# Altium PCB AATB-V2.1.PcbDoc (part 1 of 5)
Units mm, origin at the board's own origin, x right, y up, seen from the top; angles counter-clockwise.
Board outline 236 x 177 mm, 2 copper layers (Top Layer, Bottom Layer), stack 1.571 mm thick; 302 components, 313 nets, 1275 pads, 1275 vias.
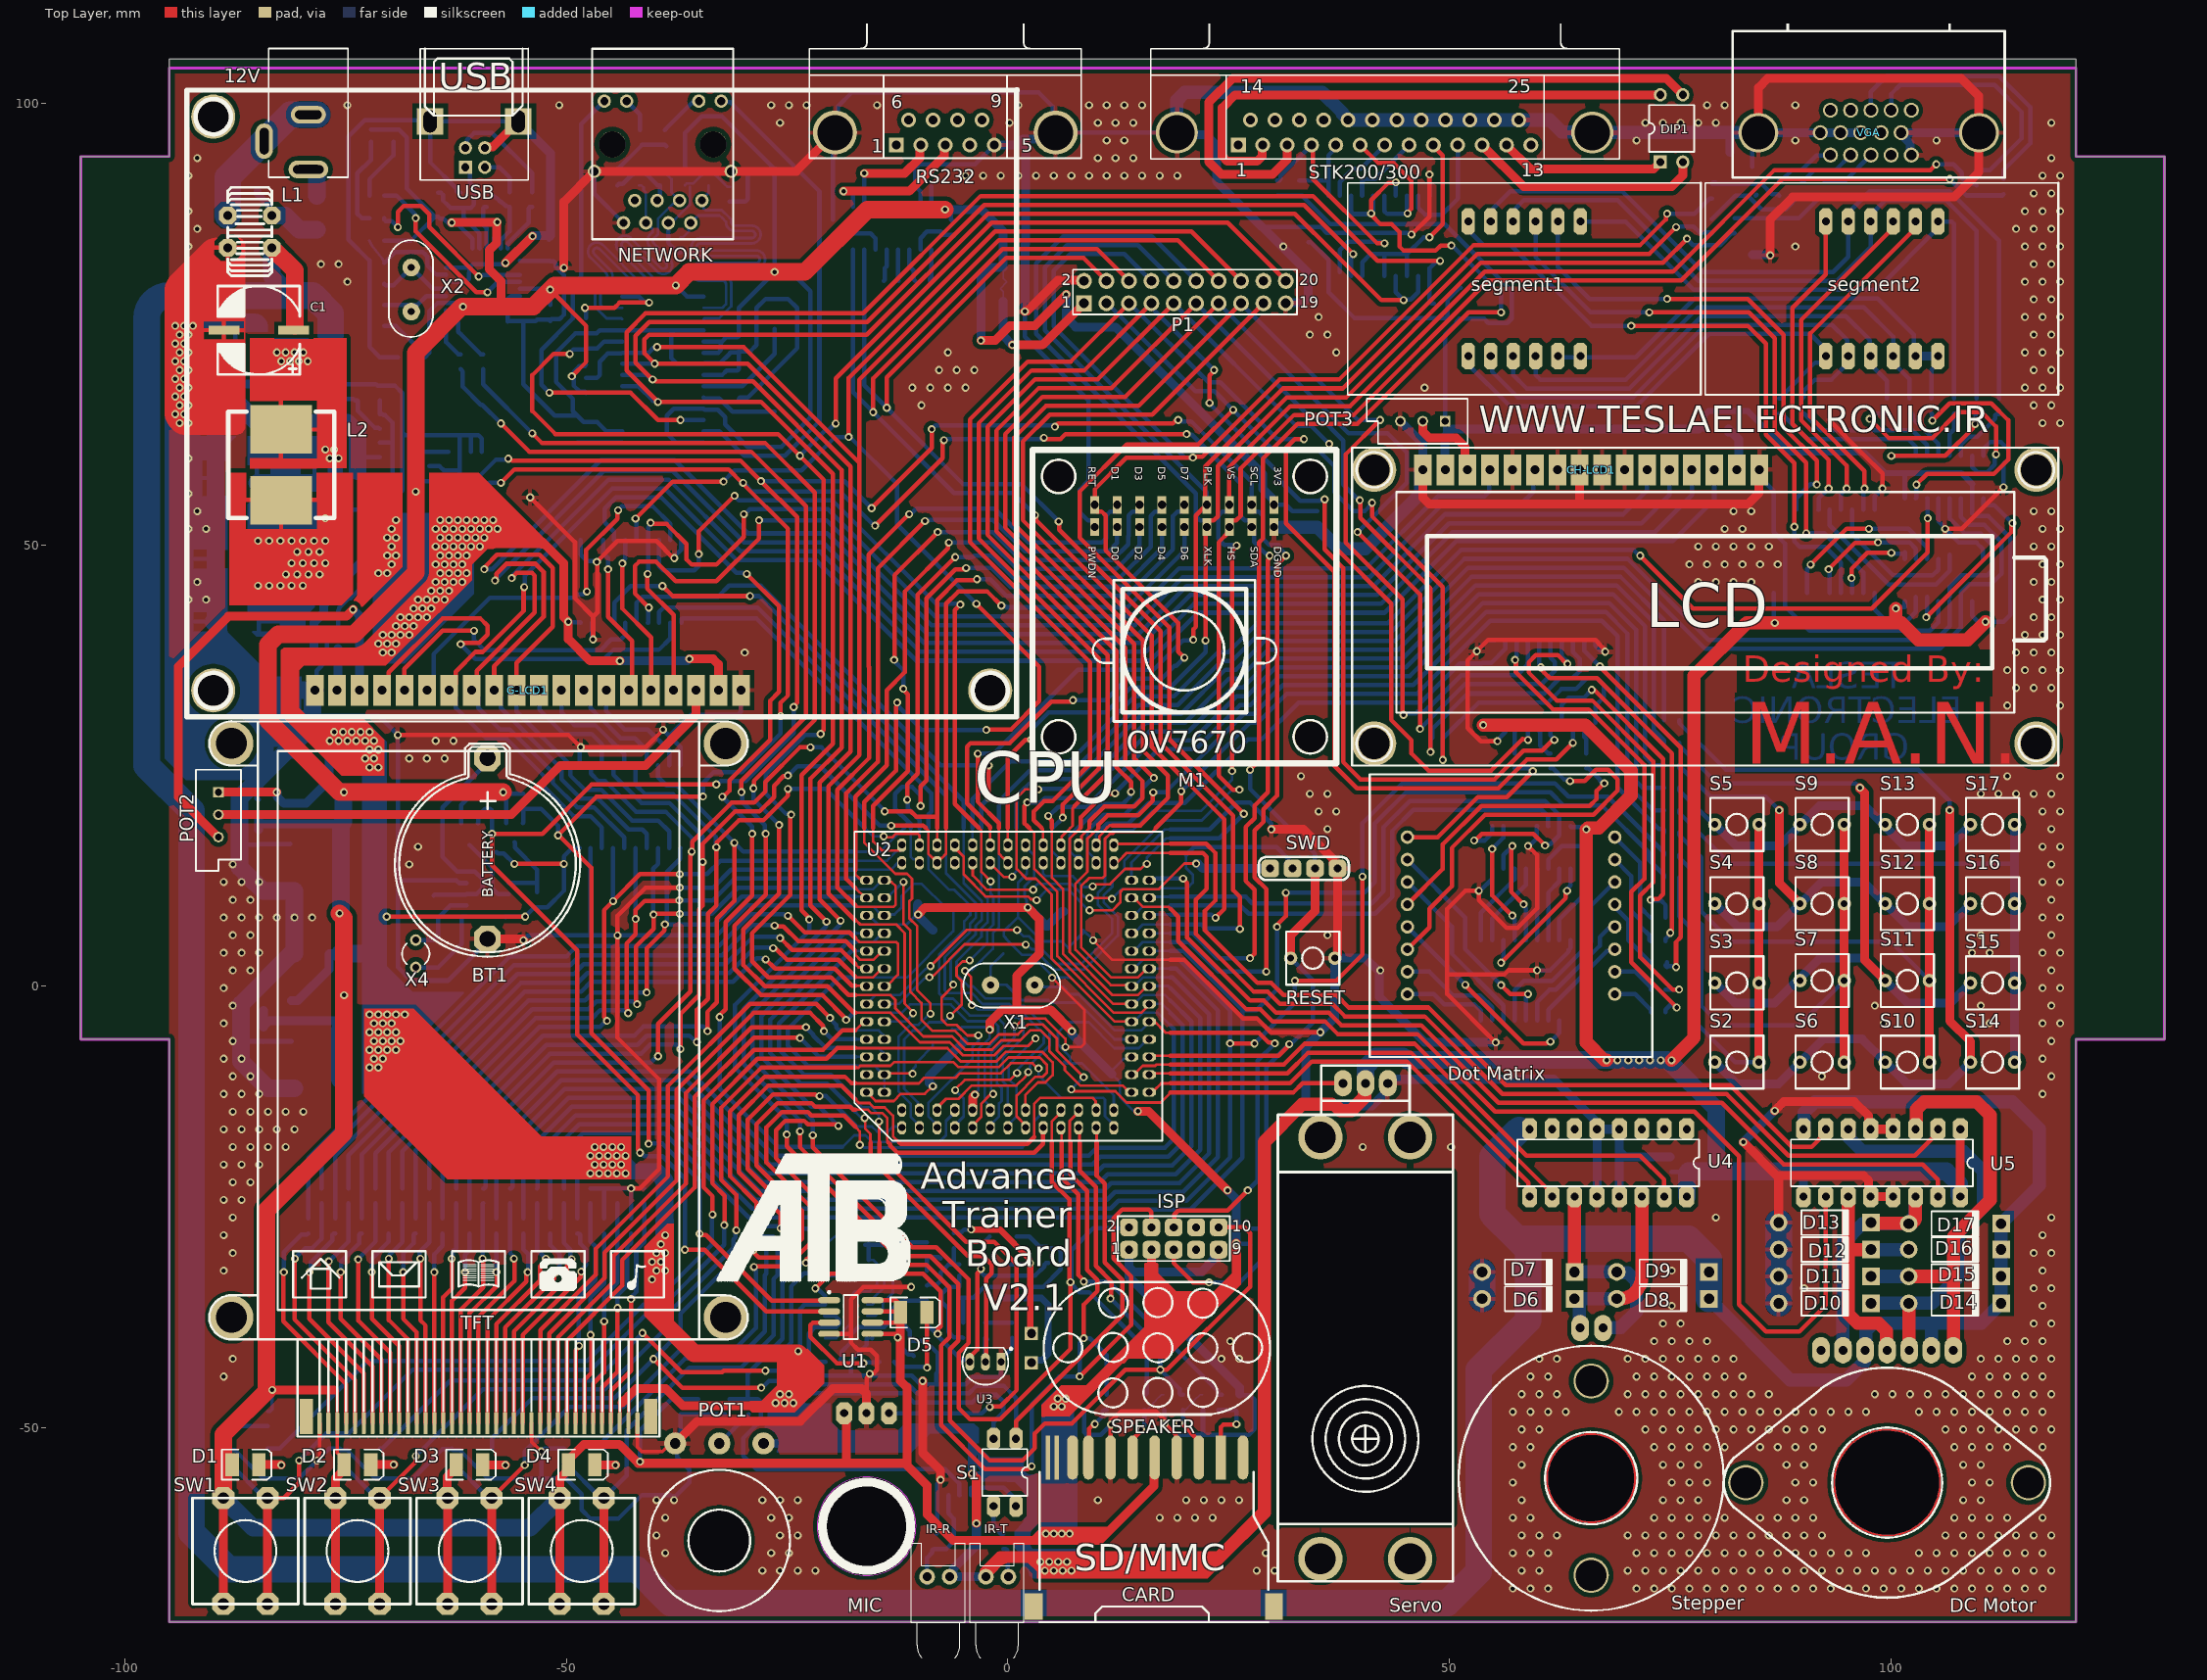
[diagram p0: Top Layer view]
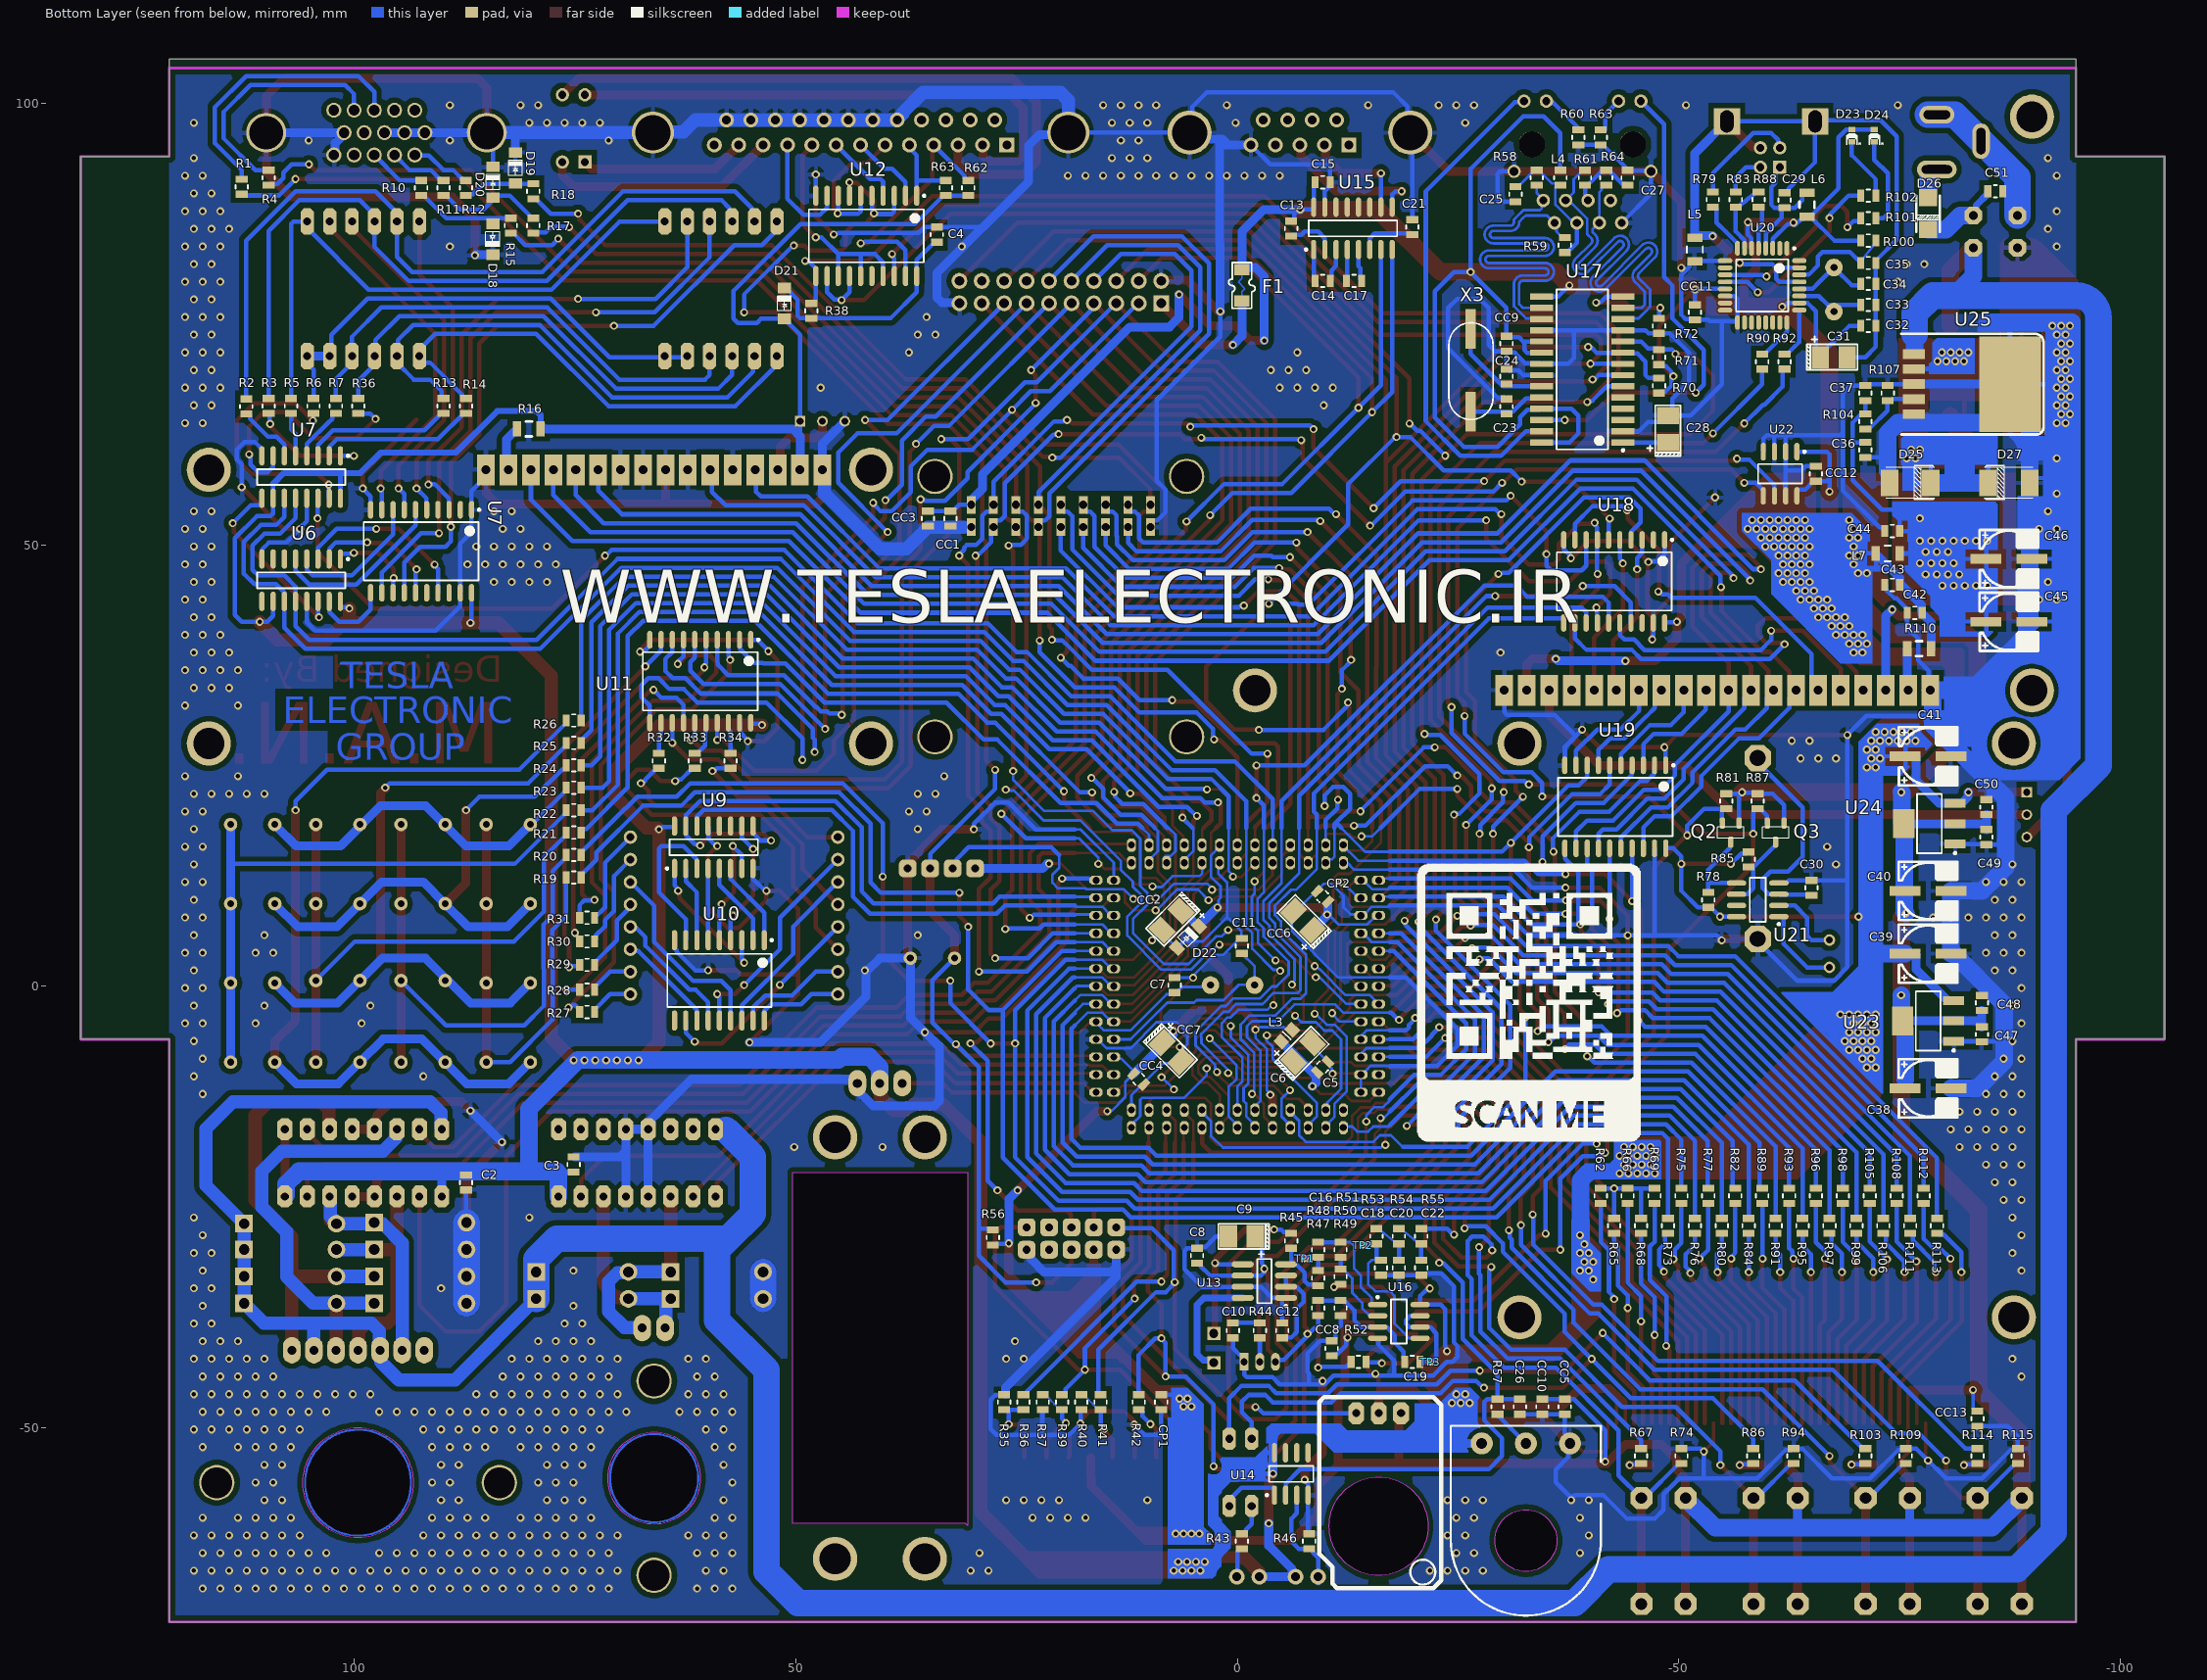
[diagram p1: Bottom Layer view, seen from below]
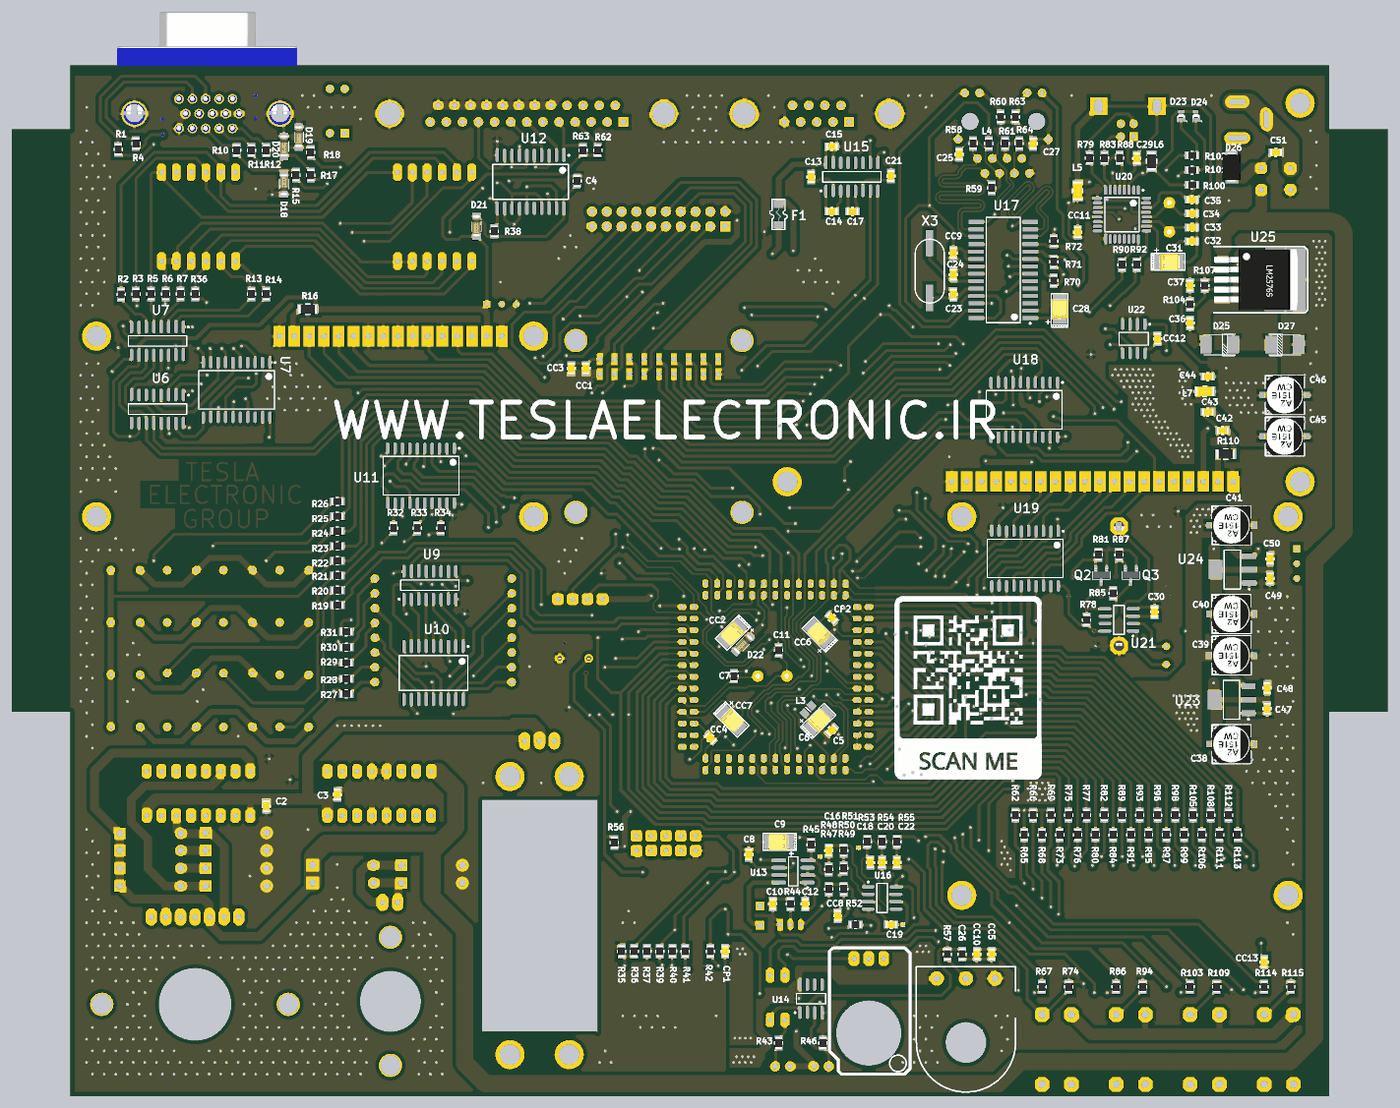
[diagram p6: 3D render of the assembled board from below, using the file's embedded part models]

## Layer stack, top to bottom
Top Solder: solder mask 0.0102, Solder Resist, Dk 3.5
Top Layer: signal copper 0.0356
Dielectric1: core 1.5, FR-4, Dk 4.8
Bottom Layer: signal copper 0.0356
Bottom Solder: solder mask 0.0102, Solder Resist, Dk 3.5

## Board outline
-95,-72 121,-72 121,-6 131,-6 131,94 121,94 121,105 -95,105 -95,94 -105,94 -105,-6 -95,-6
cut-out: -36.175,-62.775 ccw(c-32.675,-62.775) -32.675,-66.275 ccw(c-32.675,-62.775) -29.175,-62.775 ccw(c-32.675,-62.775) -32.675,-59.275 ccw(c-32.675,-62.775)
cut-out: -21.581,-61.152 ccw(c-15.993,-61.152) -15.993,-66.74 ccw(c-15.993,-61.152) -10.405,-61.152 ccw(c-15.993,-61.152) -15.993,-55.564 ccw(c-15.993,-61.152)
cut-out: 93.363,-56.22 ccw(c99.596,-56.22) 99.596,-62.453 ccw(c99.596,-56.22) 105.829,-56.22 ccw(c99.596,-56.22) 99.596,-49.987 ccw(c99.596,-56.22)
cut-out: 60.838,-55.712 ccw(c66.068,-55.712) 66.068,-60.942 ccw(c66.068,-55.712) 71.298,-55.712 ccw(c66.068,-55.712) 66.068,-50.482 ccw(c66.068,-55.712)
cut-out: 30.552,-61.097 30.806,-60.843 50.389,-60.843 50.389,-21.117 50.364,-21.092 30.552,-21.092

## Design rules (kind name [scope] priority, off if disabled: settings)
Clearance Clearance_4 [All vs InNet('TPIN_N') OR InNet('TPIN_P') OR InNet('TPOUT_N')OR InNet('TPOUT_P')] p1: gap=0.25 ignorepadtopadclearanceinfootprint=FALSE
Clearance Clearance_3 [All vs WithinRoom('FTROOM')] p2: gap=0.2 ignorepadtopadclearanceinfootprint=FALSE
Clearance Clearance_2 [InNamedPolygon('BOTTOM Layer-No Net')] p3: gap=0.6 ignorepadtopadclearanceinfootprint=FALSE except(0: Arc-Hole Track-Hole SMDPad-Hole THPad-Hole Via-Hole Fill-Hole Poly-Hole Region-Hole Text-Hole)
Clearance Clearance_1 [WithinRoom('MPU_ROOM')] p4: gap=0.35 ignorepadtopadclearanceinfootprint=FALSE
Clearance [All] p5: gap=0.5 ignorepadtopadclearanceinfootprint=FALSE
ComponentClearance [All] p1 off: gap=0.254 collisioncheckmode=3 verticalgap=0.254 showdistances=FALSE
DiffPairsRouting [All] p1: maxlimit=1.27 minlimit=0.3 mostfreqgap=0.3 toplayer_minwidth=0.15 toplayer_maxwidth=0.3 toplayer_prefwidth=0.3 bottomlayer_minwidth=0.15 bottomlayer_maxwidth=0.3 bottomlayer_prefwidth=0.3 maxuncoupledlength=10
FabricationTestPointUsage TestPointUsage [All] p1: valid=0 allowmultiple=FALSE
FabricationTestpoint Testpoint [All] p1: side=3 testpointundercomponent=TRUE minsize=1.016 maxsize=2.54 preferedsize=1.524 minholesize=0 maxholesize=1.016 preferedholesize=0.813 testpointgrid=0.025 allowsidetop=TRUE allowsidebottom=TRUE usegrid=TRUE gridtolerance=0
Height [All] p1 off: minheight=0 maxheight=25.4 prefheight=12.7
HoleSize [All] p1: absolutevalues=TRUE maxlimit=4 minlimit=0.025 maxpercent=80.000 minpercent=20.000
PlaneConnect [All] p1: planeconnectstyle=Relief reliefexpansion=0.5 reliefentries=4 reliefconductorwidth=0.5 reliefairgap=0.5
PolygonConnect [All] p1: connectstyle=Relief reliefconductorwidth=0.5 reliefentries=4 polygonreliefangle="90 Angle" airgapwidth=0.5
RoomDefinition FTROOM [InComponentClass('ATB-Motor')] p1 off: confinementstyle=ConfineIn formatcopy=TRUE lockcomponents=FALSE outline -66.044,73.83 -66.044,85.48 -53.886,85.48 -53.886,73.83
RoomDefinition MPU_ROOM [InComponentClass('AATB')] p2 off: confinementstyle=ConfineIn formatcopy=TRUE lockcomponents=FALSE outline -17.276,-17.667 -17.276,17.916 18.432,17.916 18.432,-17.667
RoomDefinition ATB-Power [InComponentClass('ATB-Power')] p3 off: confinementstyle=ConfineIn formatcopy=TRUE lockcomponents=FALSE outline -95.275,-19.55 -95.275,106.325 -69.6,106.325 -69.6,-19.55
RoutingVias [All] p1: holewidth=0.5 width=0.9 viastyle="Through Hole" minholewidth=0.5 minwidth=0.9 maxholewidth=0.5 maxwidth=0.9
ShortCircuit ShortCircuit_1 [All] p1: allowed=FALSE
ShortCircuit [All] p2: allowed=FALSE
SolderMaskExpansion [All] p1: expansion=0.102 istentingtop=FALSE
Width Width_1 [WithinRoom('MPU_ROOM')] p1: maxlimit=1 minlimit=0.3 preferedwidth=0.3 minimp=50.000000 maximp=50.000000 favimp=50.000000
Width [All] p2: maxlimit=3 minlimit=0.2 preferedwidth=0.5
22 further rules are at their usual default settings.

## Classes and differential pairs
component class ATB-Power: 12V C1 C5 C6 C36 C37 C38 C39 C40 C41 C42 C43 C44 C45 C46 C47 C48 C49 C50 C51 CC1 CC2 CC3 CC4 CC5 CC6 CC7 CC8 CC9 CC10 CC11 CC12 CC13 CP1 CP2 D22 D25 D26 D27 L1 L2 L3 L7 R104 R107 U23 U24 U25
component class ATB-Ports: C C4 C13 C14 C15 C17 C21 C23 C24 C25 C27 C28 C29 C31 C32 C33 C34 C35 D18 D19 D20 D21 D23 D24 DIP1 L4 L5 L6 NETWORK R1 R4 R10 R11 R12 R15 R17 R18 R38 R58 R59 R60 R61 R62 R63 R64 R70 R71 R72 R79 R83 R88 R90 R92 R100 R101 R102 RS232 STK200/300 U12 U15 U17 U20 USB VGA X2 X3
component class ATB-Display: CH-LCD1 "Dot Matrix" G-LCD1 POT2 POT3 R2 R3 R5 R6 R7 R13 R14 R16 R27 R28 R29 R30 R31 R32 R33 R34 R36 R62 R65 R66 R68 R69 R73 R75 R76 R77 R80 R82 R84 R89 R91 R93 R95 R96 R97 R98 R99 R105 R106 R108 R110 R111 R112 R113 segment1 segment2 TFT U6 U7 U9 U10 U11
component class ATB-Basics-PartB: C7 C11 CARD D5 F1 ISP M1 P1 Q2 Q3 R35 R36 R37 R39 R40 R41 R42 R52 R78 R81 R85 R87 SWD U1 U18 U19 X1
component class AATB-V2.1: U2
component class ATB-Motor: C2 C3 D6 D7 D8 D9 D10 D11 D12 D13 D14 D15 D16 D17 "DC Motor" Servo Stepper U4 U5
component class ATB-Basics-PartA: BT1 C8 C9 C10 C12 C16 C18 C19 C20 C22 C26 C30 D1 D2 D3 D4 IR-R IR-T MIC POT1 R19 R20 R21 R22 R23 R24 R25 R26 R43 R44 R45 R46 R47 R48 R49 R50 R51 R53 R54 R55 R56 R57 R67 R74 R86 R94 R103 R109 R114 R115 RESET S1 S2 S3 S4 S5 S6 S7 S8 S9 S10 S11 S12 S13 S14 S15 S16 S17 SPEAKER SW1 SW2 SW3 SW4 TP1 TP2 TP3 U3 U13 U14 U16 U21 U22 X4
differential pair TPOUT: +TPOUT_P -TPOUT_N
differential pair TPIN: +TPIN_P -TPIN_N

## Components (designator, comment, footprint, x,y, rotation, side; value= is the part's Value field where it differs from the comment)
12V "PWR2.5" KLD-0202 -79.225,106.225 r270 top locked (schematic designator 1)
BT1 "3V Battery" BAT-3V -58.932,13.852 r90 top locked
C1 "330uF ALU 50V" SMD_CAP_10X10 -84.84,74.304 r180 top value=330uF
C2 "100nF" SMD_C0805 87.372,-22.216 r90 bottom (schematic designator C20)
C3 "100nF" SMD_C0805 75.18,-20.184 r270 bottom (schematic designator C21)
C4 "100nF" SMD_R0805 34.032,85.138 r270 bottom (schematic designator C11)
C5 "100nF" SMD_C0805 -9.652,-9.144 r135 bottom (schematic designator C11)
C6 "4.7uF Tantalum 35v" SMD_C3528-P -7.453,-7.453 r135 bottom value=1uF (schematic designator C10)
C7 "33pF" SMD_R0805 7.108,0.136 r270 bottom (schematic designator C50)
C8 "2.2uF" SMD_C0805 4.568,-30.51 r90 bottom (schematic designator C48)
C9 "10uF Tantalum 16V" SMD_C3528-P -0.512,-28.312 r0 bottom value=10uF (schematic designator C49)
C10 "1uF" SMD_C0805 0.504,-38.98 r270 bottom (schematic designator C42)
C11 "33pF" SMD_R0805 -0.508,4.572 r90 bottom (schematic designator C51)
C12 "1uF" SMD_C0805 -5.084,-38.98 r270 bottom (schematic designator C41)
C13 "1uF" SMD_C0805 -6.1,85.822 r90 bottom (schematic designator C4)
C14 "1uF" SMD_C0805 -9.656,79.892 r180 bottom (schematic designator C3)
C15 "1uF" SMD_C0805 -9.656,91.068 r180 bottom (schematic designator C5)
C16 "2.2uF" SMD_C0805 -9.148,-29.836 r90 bottom (schematic designator C43)
C17 "1uF" SMD_C0805 -13.212,79.892 r180 bottom (schematic designator C2)
C18 "1nF" SMD_C0805 -16.26,-31.868 r90 bottom (schematic designator C47)
C19 "2.2uF" SMD_C0805 -19.816,-42.536 r180 bottom (schematic designator C44)
C20 "1nF" SMD_C0805 -18.292,-31.868 r90 bottom (schematic designator C46)
C21 "1uF" SMD_C0805 -19.816,85.988 r270 bottom (schematic designator C1)
C22 "1nF" SMD_C0805 -20.832,-31.868 r90 bottom (schematic designator C45)
C23 "18pF" SMD_C0805 -30.484,65.668 r270 bottom (schematic designator C28)
C24 "18pF" SMD_C0805 -30.484,69.058 r270 bottom (schematic designator C29)
C25 "100nF" SMD_C0805 -31.5,89.71 r270 bottom (schematic designator C30)
C26 "10nF" SMD_R0805 -32.007,-47.616 r90 bottom (schematic designator C39)
C27 "10nF" SMD_C0805 -44.2,91.576 r270 bottom (schematic designator C31)
C28 "10uF Tantalium" SMD_C3528-P -48.772,63.127 r90 bottom value=10uF (schematic designator C32)
C29 "10nF" SMD_C0805 -61.98,89.036 r270 bottom (schematic designator C25)
C30 "1uF" SMD_C0805 -65.028,11.146 r90 bottom value=2.2uF (schematic designator C40)
C31 "4.7uF Tantalium" SMD_C3528-P -67.568,71.256 r180 bottom value=4.7uF (schematic designator C22)
C32 "100nF" SMD_C0805 -71.466,74.812 r180 bottom (schematic designator C24)
C33 "27pF" SMD_C0805 -71.466,77.183 r0 bottom (schematic designator C27)
C34 "27pF" SMD_C0805 -71.466,79.553 r0 bottom (schematic designator C26)
C35 "100nF" SMD_C0805 -71.466,81.924 r0 bottom (schematic designator C23)
C36 "100nF" SMD_C0805 -71.124,60.754 r90 bottom (schematic designator C6)
C37 "100nF" SMD_C0805 -71.124,67.192 r270 bottom (schematic designator C7)
C38 "220uF ALU 16V" SMD_CAP_6X6_B6 -78.236,-11.548 r180 bottom value=10uF (schematic designator C19)
C39 "220uF ALU 16V" SMD_CAP_6X6_B6 -78.236,3.692 r180 bottom value=10uF (schematic designator C16)
C40 "220uF ALU 16V" SMD_CAP_6X6_B6 -78.236,10.804 r180 bottom value=10uF (schematic designator C15)
C41 "220uF ALU 16V" SMD_CAP_6X6_B6 -78.236,26.044 r180 bottom value=10uF (schematic designator C12)
C42 "100nF" SMD_C0805 -76.712,42.3 r180 bottom (schematic designator C4)
C43 "100nF" SMD_C0805 -74.168,45.466 r180 bottom (schematic designator C5)
C44 "100nF" SMD_C0805 -74.168,51.562 r180 bottom (schematic designator C9)
C45 "220uF ALU 16V" SMD_CAP_6X6_B6 -87.38,41.284 r180 bottom value=100uF (schematic designator C8)
C46 "220uF ALU 16V" SMD_CAP_6X6_B6 -87.38,48.396 r180 bottom value=100uF (schematic designator C2)
C47 "100nF" SMD_C0805 -84.332,-5.452 r90 bottom (schematic designator C17)
C48 "10nF" SMD_C0805 -84.332,-1.896 r270 bottom (schematic designator C18)
C49 "100nF" SMD_C0805 -84.84,16.9 r90 bottom (schematic designator C13)
C50 "10nF" SMD_C0805 -84.84,20.29 r270 bottom (schematic designator C14)
C51 "100nF" SMD_C0805 -85.856,90.052 r0 bottom (schematic designator C3)
CARD "SD/MMC" "SD/MMC  CONNECTOR" 6.632,-53.364 r180 top locked (schematic designator CARD1)
CC1 "100nf" SMD_C0805 32.508,52.968 r270 bottom value=100nF (schematic designator CC11)
CC2 "4.7uF Tantalum 16v" SMD_C3528-P 7.453,7.453 r315 bottom value=4.7uF (schematic designator CC4)
CC3 "100nF" SMD_C0805 35.048,52.968 r270 bottom
CC4 "100nf" SMD_C0805 11.172,-10.532 r225 bottom value=100nF (schematic designator CC5)
CC5 "100nf" SMD_C0805 -37.084,-47.616 r270 bottom value=100nF (schematic designator CC6)
CC6 "4.7uF Tantalum 16v" SMD_C3528-P -7.453,7.453 r45 bottom value=4.7uF (schematic designator CC2)
CC7 "4.7uF Tantalum 16v" SMD_C3528-P 7.453,-7.453 r225 bottom value=4.7uF (schematic designator CC1)
CC8 "100nf" SMD_C0805 -10.672,-41.012 r90 bottom value=100nF
CC9 "100nf" SMD_C0805 -30.484,72.78 r270 bottom value=100nF (schematic designator CC10)
CC10 "100nf" SMD_C0805 -34.545,-47.616 r270 bottom value=100nF (schematic designator CC12)
CC11 "100nf" SMD_C0805 -51.82,76.336 r270 bottom value=100nF (schematic designator CC9)
CC12 "100nf" SMD_C0805 -65.536,58.048 r90 bottom value=100nF (schematic designator CC13)
CC13 "100nf" SMD_C0805 -83.824,-48.974 r270 bottom value=100nF (schematic designator CC7)
CH-LCD1 "Header 16" "2X16 LCD" 39,61 r0 top locked
CP1 "100nf" SMD_C0805 8.632,-47.108 r270 bottom value=100nF (schematic designator CP2)
CP2 "100nf" SMD_C0805 -9.652,10.16 r45 bottom value=100nF (schematic designator CP1)
D1 "LED0" 3.5X2.8X1.9 -86.356,-54.175 r0 top locked (schematic designator D26)
D2 "LED0" 3.5X2.8X1.9 -73.656,-54.175 r0 top locked (schematic designator D25)
D3 "LED0" 3.5X2.8X1.9 -60.956,-54.175 r0 top locked (schematic designator D24)
D4 "LED0" 3.5X2.8X1.9 -48.256,-54.175 r0 top locked (schematic designator D23)
D5 "LED0" 3.5X2.8X1.9 -10.648,-36.948 r0 top (schematic designator D27)
D6 "Diode 1N4007" DO-41 58.956,-35.392 r0 top (schematic designator D16)
D7 "Diode 1N4007" DO-41 58.956,-32.344 r0 top (schematic designator D15)
D8 "Diode 1N4007" DO-41 74.196,-35.392 r0 top (schematic designator D10)
D9 "Diode 1N4007" DO-41 74.196,-32.344 r0 top
D10 "Diode 1N4007" DO-41 92.54,-35.908 r0 top (schematic designator D12)
D11 "Diode 1N4007" DO-41 92.54,-32.86 r0 top
D12 "Diode 1N4007" DO-41 92.54,-29.812 r0 top (schematic designator D13)
D13 "Diode 1N4007" DO-41 92.54,-26.764 r0 top (schematic designator D14)
D14 "Diode 1N4007" DO-41 107.272,-35.908 r0 top (schematic designator D6)
D15 "Diode 1N4007" DO-41 107.272,-32.86 r0 top (schematic designator D5)
D16 "Diode 1N4007" DO-41 107.272,-29.812 r0 top (schematic designator D7)
D17 "Diode 1N4007" DO-41 107.272,-26.891 r0 top (schematic designator D8)
D18 "Diode 1N4148" DL-35 84.328,84.61 r180 bottom (schematic designator D7)
D19 "Diode 1N4148" DL-35 81.788,92.682 r0 bottom (schematic designator D5)
D20 "Diode 1N4148" DL-35 84.324,91.068 r0 bottom (schematic designator D6)
D21 "Diode 1N4148" DL-35 51.304,77.352 r0 bottom (schematic designator D9)
D22 "D Zener 3.9V 1/2W" DL-35 5.588,5.588 r45 bottom (schematic designator D4)
D23 "LED0" LED_0603_1608 -69.6,96.34 r270 bottom (schematic designator D8)
D24 "LED0" LED_0603_1608 -72.14,96.34 r270 bottom (schematic designator D10)
D25 "SS24" D_SMA -76.204,57.032 r180 bottom (schematic designator D2)
D26 "Diode 1N4007" M7-4007 -78.236,87.512 r270 bottom (schematic designator D1)
D27 "SS24" D_SMA -87.38,57.032 r0 bottom (schematic designator D3)
"DC Motor" "Motor Step" "Motor Step" 99.596,-56.22 r180 top locked (schematic designator M1)
DIP1 "SW DIP-2" DIP-4#1 75.18,97.164 r0 top
"Dot Matrix" "DOT-8x8-32X32mm" "8X8 LED MATRIX" 57,8 r0 top locked (schematic designator DM1)
F1 "Fuse 2" SelfFuse-1206 -0.512,79.384 r270 bottom
G-LCD1 "Header 20" LCD-128X64-ST7920 -46,66 r0 top locked
IR-R "" LED-0 -7.866,-66.875 r0 top (schematic designator IR-R1)
IR-T "LED0" LED-0 -1.216,-66.875 r0 top (schematic designator IR-T1)
ISP "Header 5X2" HDR2X5 13.712,-29.836 r0 top (schematic designator ISP1)
L1 "Line Filter 2x680uH 10mm" CN_FILTE -85.856,85.48 r0 top (schematic designator L3)
L2 "33uH" SMD_IND_12X12 -82.3,59.064 r270 top (schematic designator L1)
L3 "10uH" 6-0805_N -5.588,-5.588 r133.32 bottom (schematic designator L4)
L4 "10uH" SMD_R0805 -36.58,91.576 r90 bottom (schematic designator L7)
L5 "Ferrite Bead" SMD_C1206 -51.82,83.448 r90 bottom value=10mH
L6 "FERITE BEAD" SMD_R1206 -64.52,88.528 r270 bottom value=10mH
L7 "Ferrite Bead" SMD_C1206 -73.66,49.022 r0 bottom value=10mH (schematic designator L2)
M1 "OV7670" OV7670 20,43 r180 top locked (schematic designator M5)
MIC "MAX4466 Module" MAX4466-Module -16,-57.352 r180 top locked (schematic designator M4)